# KiCad board serial-usbc-dip-7seg-clk.kicad_pcb (continued)
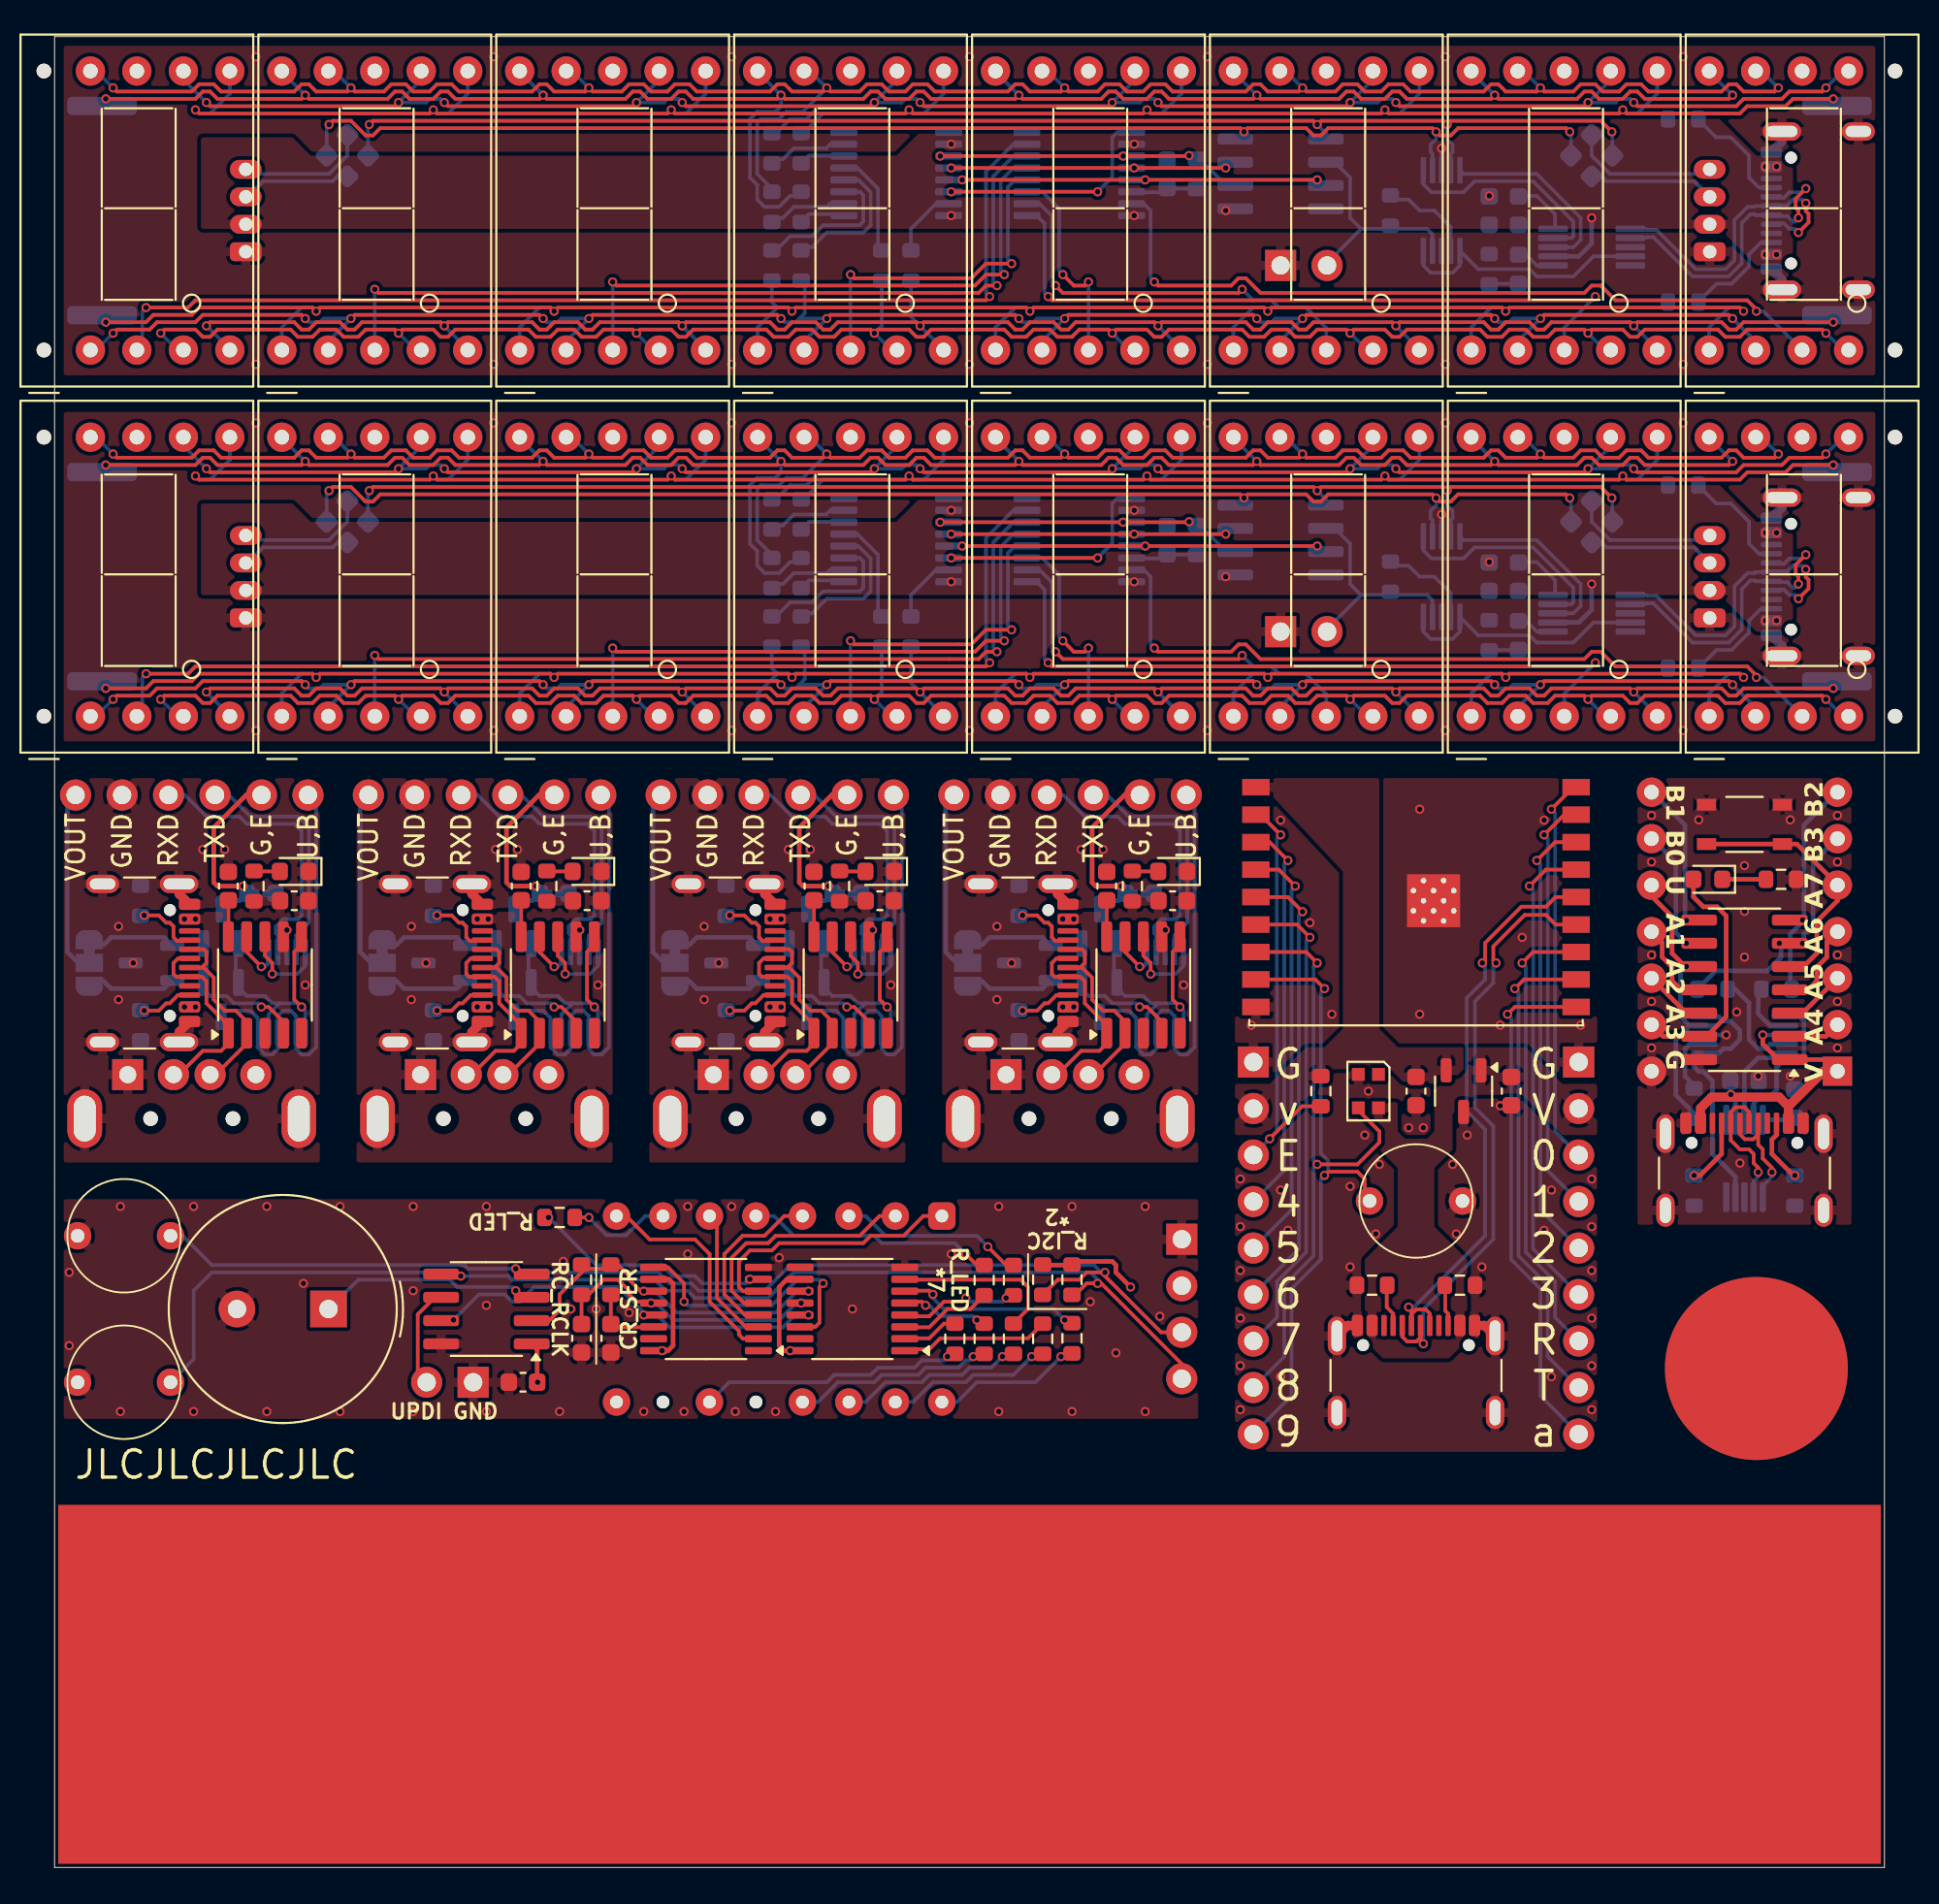
[diagram p0: board, top side]
## Placement (name value [footprint] x y rotation side) (continued)
R11#3  5k1  [R_0603_1608Metric]  89 65.5 180 bottom
R12  R_I2C  [R_0603_1608Metric]  55.6 32.1 270 top
R12#2  R_TNOW  [R_0603_1608Metric]  78.4 87.3 90 bottom
R12#3  R_TNOW  [R_0603_1608Metric]  78.4 67.3 90 bottom
R13  4k7  [R_0603_1608Metric]  73 90.5 270 bottom
R13#2  4k7  [R_0603_1608Metric]  73 70.5 270 bottom
SW1  SW_BOOT  [alps-skrg]  74.4 36.4 0 top
SW1#2  SW_Push  [alps-skrp]  92.35 56.97 180 top
SW1#3  SW_Push  [alps-skrg]  3.8 34.5 180 top
SW2  SW_Push  [alps-skrg]  3.8 26.5 180 top
U1  ATtiny1604-SS  [SOIC-14_3.9x8.7mm_P1.27mm]  92.35 47.94 180 top
U1#2  -  [ESP32-C3-WROOM-02]  74.4 53 0 top
U1#3  CH340K  [SSOP-10-1EP_3.9x4.9mm_P1mm_EP2.1x3.3mm]  11.5 48.2 90 top
U1#4  CH340K  [SSOP-10-1EP_3.9x4.9mm_P1mm_EP2.1x3.3mm]  27.5 48.2 90 top
U1#5  LTC-4627JG  [LTC-4627Jx]  48.49 35.58 270 top
U1#6  CH340K  [SSOP-10-1EP_3.9x4.9mm_P1mm_EP2.1x3.3mm]  43.5 48.2 90 top
U1#7  CH340K  [SSOP-10-1EP_3.9x4.9mm_P1mm_EP2.1x3.3mm]  59.5 48.2 90 top
U1#8  74HC595  [TSSOP-16_4.4x5mm_P0.65mm]  56 72.5 0 bottom
U1#9  74HC595  [TSSOP-16_4.4x5mm_P0.65mm]  56 92.5 0 bottom
U2  AP7333  [SOT-23-3]  77 42.4 270 top
U2#2  74HC595  [TSSOP-16_4.4x5mm_P0.65mm]  43.6 30.5 180 top
U2#3  TS5A23159DGS  [VSSOP-10_3x3mm_P0.5mm]  60.7 47.8 90 bottom
U2#4  CH340E  [MSOP-10_3x3mm_P0.5mm]  92.35 38.72 90 bottom
U2#5  74HC595  [TSSOP-16_4.4x5mm_P0.65mm]  46 92.5 0 bottom
U2#6  TS5A23159DGS  [VSSOP-10_3x3mm_P0.5mm]  12.7 47.8 90 bottom
U2#7  TS5A23159DGS  [VSSOP-10_3x3mm_P0.5mm]  28.7 47.8 90 bottom
U2#8  TS5A23159DGS  [VSSOP-10_3x3mm_P0.5mm]  44.7 47.8 90 bottom
U2#9  74HC595  [TSSOP-16_4.4x5mm_P0.65mm]  46 72.5 0 bottom
U3  D168K  [D1X8K#3]  -0.58 82.88 90 top
U3#2  74HC595  [TSSOP-16_4.4x5mm_P0.65mm]  35.6 30.5 180 top
U3#3  D168K  [D1X8K#3]  -0.58 62.88 90 top
U3#4  AP7333  [SOT-23-3]  21.3 49.4 180 bottom
U3#5  AP7333  [SOT-23-3]  53.3 49.4 180 bottom
U3#6  TS5A23159DGS  [VSSOP-10_3x3mm_P0.5mm]  92.35 45.47 0 bottom
U3#7  AP7333  [SOT-23-3]  5.3 49.4 180 bottom
U3#8  AP7333  [SOT-23-3]  37.3 49.4 180 bottom
U4  ATtiny402-SS  [SOIC-8_3.9x4.9mm_P1.27mm]  23.6 30.5 180 top
U4#2  D168K  [D1X8K#2]  12.42 82.88 90 top
U4#3  D168K  [D1X8K#2]  12.42 62.88 90 top
U5  D168K  [D1X8K#2]  25.42 82.88 90 top
U5#2  D168K  [D1X8K#2]  25.42 62.88 90 top
U6  D168K  [D1X8K#2]  38.42 62.88 90 top
U6#2  D168K  [D1X8K#2]  38.42 82.88 90 top
U7  D168K  [D1X8K#2]  51.42 62.88 90 top
U7#2  D168K  [D1X8K#2]  51.42 82.88 90 top
U8  D168K  [D1X8K#2]  64.42 82.88 90 top
U8#2  D168K  [D1X8K#2]  64.42 62.88 90 top
U9  D168K  [D1X8K#2]  77.42 82.88 90 top
U9#2  D168K  [D1X8K#2]  77.42 62.88 90 top
U10  D168K  [D1X8K]  90.42 82.88 90 top
U10#2  D168K  [D1X8K]  90.42 62.88 90 top
U11  MCU_DISP_X02  [SOIC-8_3.9x4.9mm_P1.27mm]  67 72.5 0 bottom
U11#2  MCU_DISP_X02  [SOIC-8_3.9x4.9mm_P1.27mm]  67 92.5 0 bottom
U12  CH340E  [MSOP-10_3x3mm_P0.5mm]  84 68.5 180 bottom
U12#2  CH340E  [MSOP-10_3x3mm_P0.5mm]  84 88.5 180 bottom
U13  TS5A23159DGS  [VSSOP-10_3x3mm_P0.5mm]  75.8 90.5 90 bottom
U13#2  TS5A23159DGS  [VSSOP-10_3x3mm_P0.5mm]  75.8 70.5 90 bottom

## Library data of the parts
BZ1 = -: Description: Buzzer, polarized
C1 C1#2-C1#6 C1#8 C1#9 C2 C2#2-C2#8 C3 C3#2-C3#5 C3#7 C3#8 = -: Description: Unpolarized capacitor, small symbol
D1 = -: Datasheet: https://cdn-shop.adafruit.com/product-files/4684/4684_WS2812B-2020_V1.3_EN.pdf; Description: RGB LED with integrated controller, 2.0 x 2.0 mm, 12 mA
D1#2 D1#3 D1#5 D1#6 D3 D3#2 = -: Description: Light emitting diode, small symbol; Sim.Pin: 1=K 2=A
J1 J1#3-J1#5 = -: Description: USB Type A connector
J1#2 J1#6 J2 J2#3-J2#5 J4 J4#2 = -: Datasheet: https://www.usb.org/sites/default/files/documents/usb_type-c.zip; Description: USB 2.0-only 16P Type-C Receptacle connector
J1#7-J1#9 = -: Description: Generic connector, single row, 01x02, script generated
J2#2 = -: Description: Generic connector, double row, 02x07, counter clockwise pin numbering scheme (similar to DIP package numbering), script generated (kicad-library-utils/schlib/autogen/connector/)
J2#6-J2#8 J3#5 J3#7 = -: Description: Generic connector, single row, 01x04, script generated
J2#9 J3#6 = -: Description: Generic connector, single row, 01x09, script generated
J3 J3#2-J3#4 = -: Description: Generic connector, single row, 01x06, script generated
JP3 JP3#2-JP3#4 = -: Description: 3-pole Solder Jumper, pins 1+2 closed/bridged
Q1 Q1#2-Q1#4 Q2 Q2#2-Q2#4 = -: Datasheet: https://www.onsemi.com/pub/Collateral/BSS138-D.PDF; Description: 50V Vds, 0.22A Id, N-Channel MOSFET, SOT-23
R1#3-R1#9 R2#2 R2#4-R2#9 R3 R3#2 R3#3 R3#5 R3#6 R3#8 R3#9 R4 R4#3 R4#4 R5 R5#3 R5#4 R6 R6#2 R6#3 R7 R7#2 R7#3 R8 R8#2 R8#3 R9 R9#2 R9#3 R10 R10#2 R10#3 R11 R11#2 R11#3 R12 R12#2 R12#3 R13 R13#2 = -: Description: Resistor, small symbol
R2#3 R3#7 R4#2 = -: Description: Resistor
SW1 SW1#3 SW2 = -: Description: Push button switch, generic, two pins
U1 = -: Datasheet: http://ww1.microchip.com/downloads/en/DeviceDoc/ATtiny804_1604-Data-Sheet-40002028A.pdf; Description: 20MHz, 16kB Flash, 1kB SRAM, 256B EEPROM, SOIC-14
U1#2 = -: Datasheet: https://www.espressif.com/sites/default/files/documentation/esp32-c3-wroom-02_datasheet_en.pdf
U1#3 U1#4 U1#6 U1#7 = -: Datasheet: https://cdn.sparkfun.com/assets/5/0/a/8/5/CH340DS1.PDF; Description: USB serial converter, UART, SSOP-10
U1#5 = -: Datasheet: http://optoelectronics.liteon.com/upload/download/DS30-2001-393/C4627JG.pdf; Description: 4 digit 7 segment green, common anode
U1#8 U1#9 U2#2 U2#5 U2#9 U3#2 = -: Datasheet: http://www.ti.com/lit/ds/symlink/sn74hc595.pdf; Description: 8-bit serial in/out Shift Register 3-State Outputs
U2 U3#4 U3#5 U3#7 U3#8 = -: Description: https://akizukidenshi.com/catalog/g/g111360/
U2#3 U2#6-U2#8 U3#6 U13 U13#2 = -: Datasheet: http://www.ti.com/lit/ds/symlink/ts5a23159.pdf; Description: Dual SPDT 1ohm Bidirectional Analog Switch with Off protection, VSSOP-10
U2#4 U12 U12#2 = -: Datasheet: https://www.mpja.com/download/35227cpdata.pdf; Description: USB serial converter, UART, MSOP-10
U3 U3#3 U4#2 U4#3 U5 U5#2 U6 U6#2 U7 U7#2 U8 U8#2 U9 U9#2 U10 U10#2 = -: Datasheet: https://ia800903.us.archive.org/24/items/CTKD1x8K/Cromatek%20D168K.pdf; Description: One digit 7 segment ultra bright red LED, low current, common cathode
U4 U11 U11#2 = -: Datasheet: http://ww1.microchip.com/downloads/en/DeviceDoc/ATtiny202-402-AVR-MCU-with-Core-Independent-Peripherals_and-picoPower-40001969A.pdf; Description: 20MHz, 4kB Flash, 256B SRAM, 128B EEPROM, SOIC-8

## Footprints (pads in the part's own frame, mm; a bottom-side part is the same pattern mirrored in y, then rotated)
alps-skrg
  round 1.5 hole 0.75: 1(-2.54,0) 2(2.54,0)
alps-skrp
  rect 1.05x0.65 smd: 1(-2.075,-1.075) 1(2.075,-1.075) 2(-2.075,1.075) 2(2.075,1.075)
Buzzer_TDK_PS1240P02BT_D12.2mm_H6.5mm
  rect 2x2 hole 1: 1(0,0)
  round 2 hole 1: 2(5,0)
C_0603_1608Metric
  rrect 0.9x0.95 smd: 1(-0.775,0) 2(0.775,0)
D1X8K
  round 0.8 hole 0.8 unplated: (0,-10.16) (15.24,-10.16)
  round 1.6 hole 0.8: 1(0,0) 2(0,-2.54) 3(0,-5.08) 4(0,-7.62) 7(15.24,-7.62) 8(15.24,-5.08) 9(15.24,-2.54) 10(15.24,0)
  rrect 1x3.81 smd far side: 5(1.905,-6.985) 6(13.335,-6.985)
D1X8K#2
  round 1.6 hole 0.8: 1(0,0) 2(0,-2.54) 3(0,-5.08) 4(0,-7.62) 5(0,-10.16) 6(15.24,-10.16) 7(15.24,-7.62) 8(15.24,-5.08) 9(15.24,-2.54) 10(15.24,0)
D1X8K#3
  round 0.8 hole 0.8 unplated: (0,0) (15.24,0)
  rrect 1x3.81 smd far side: 1(1.905,-3.175) 10(13.335,-3.175)
  round 1.6 hole 0.8: 2(0,-2.54) 3(0,-5.08) 4(0,-7.62) 5(0,-10.16) 6(15.24,-10.16) 7(15.24,-7.62) 8(15.24,-5.08) 9(15.24,-2.54)
DIP-14_W10.16mm
  rect 1.6x1.6 hole 0.8: 1(0,0)
  oval 1.6x1.6 hole 0.8: 2(0,-2.54) 3(0,-5.08) 4(0,-7.62) 5(0,-10.16) 6(0,-12.7) 7(0,-15.24) 8(10.16,-15.24) 9(10.16,-12.7) 10(10.16,-10.16) 11(10.16,-7.62) 12(10.16,-5.08) 13(10.16,-2.54) 14(10.16,0)
ESP32-C3-WROOM-02
  rect 0.7x0.7 smd: (-0.14,0.9) (-0.14,-0.2) (-0.14,-1.3) (0.96,0.9) (0.96,-0.2) (0.96,-1.3) (2.06,0.9) (2.06,-0.2) (2.06,-1.3)
  rect 1.5x0.9 smd: 1(-8.75,6) 2(-8.75,4.5) 3(-8.75,3) 4(-8.75,1.5) 5(-8.75,0) 6(-8.75,-1.5) 7(-8.75,-3) 8(-8.75,-4.5) 9(-8.75,-6) 10(8.75,-6) 11(8.75,-4.5) 12(8.75,-3) 13(8.75,-1.5) 14(8.75,0) 15(8.75,1.5) 16(8.75,3) 17(8.75,4.5) 18(8.75,6)
  round 0.6 hole 0.3: 19(-0.14,0.35) 19(-0.14,-0.75) 19(0.41,0.9) 19(0.41,-0.2) 19(0.41,-1.3) 19(0.96,0.35) 19(0.96,-0.75) 19(1.51,0.9) 19(1.51,-0.2) 19(1.51,-1.3) 19(2.06,0.35) 19(2.06,-0.75)
  rect 2.9x2.9 smd: 19(0.96,-0.2)
JST_ZH_B4B-ZR_1x04_P1.50mm_Vertical
  rrect 1.03x1.73 hole 0.73: 1(0,0)
  oval 1.03x1.73 hole 0.73: 2(1.5,0) 3(3,0) 4(4.5,0)
LED_0603_1608Metric
  rrect 0.875x0.95 smd: 1(-0.787,0) 2(0.787,0)
LED_WS2812B-2020_PLCC4_2.0x2.0mm
  rect 0.7x0.7 smd: 1(-0.915,0.55) 2(-0.915,-0.55) 3(0.915,-0.55) 4(0.915,0.55)
LTC-4627Jx
  round 0.7 hole 0.7 unplated: (10.16,-10.16) (10.16,-15.24)
  rrect 1.5x1.5 hole 0.7: 1(0,0)
  round 1.5 hole 0.7: 2(0,-2.54) 3(0,-5.08) 4(0,-7.62) 5(0,-10.16) 6(0,-12.7) 7(0,-15.24) 8(0,-17.78) 9(10.16,-17.78) 11(10.16,-12.7) 13(10.16,-7.62) 14(10.16,-5.08) 15(10.16,-2.54) 16(10.16,0)
MSOP-10_3x3mm_P0.5mm
  rrect 1.625x0.35 smd: 1(-2.112,1) 2(-2.112,0.5) 3(-2.112,0) 4(-2.112,-0.5) 5(-2.112,-1) 6(2.112,-1) 7(2.112,-0.5) 8(2.112,0) 9(2.112,0.5) 10(2.112,1)
PinHeader_1x02_P2.54mm_Vertical
  rect 1.7x1.7 hole 1: 1(0,0)
  round 1.7 hole 1: 2(0,-2.54)
PinHeader_1x04_P2.54mm_Vertical
  rect 1.7x1.7 hole 1: 1(0,0)
  round 1.7 hole 1: 2(0,-2.54) 3(0,-5.08) 4(0,-7.62)
PinHeader_1x09_P2.54mm_Vertical
  rect 1.7x1.7 hole 1: 1(0,0)
  round 1.7 hole 1: 2(0,-2.54) 3(0,-5.08) 4(0,-7.62) 5(0,-10.16) 6(0,-12.7) 7(0,-15.24) 8(0,-17.78) 9(0,-20.32)
PinSocket_1x02_P2.54mm_Vertical
  rect 1.7x1.7 hole 1: 1(0,0)
  round 1.7 hole 1: 2(0,-2.54)
PinSocket_1x06_P2.54mm_Vertical
  round 1.7 hole 1: 1(0,0) 2(0,-2.54) 3(0,-5.08) 4(0,-7.62) 5(0,-10.16) 6(0,-12.7)
pokayoke_1608
  rrect 1x1 smd: 1(-0.8,0.8) 2(-0.8,-0.8) 3(0.8,-0.8) 4(0.8,0.8)
R_0603_1608Metric
  rrect 0.8x0.95 smd: 1(-0.825,0) 2(0.825,0)
SOIC-8_3.9x4.9mm_P1.27mm
  rrect 1.95x0.6 smd: 1(-2.475,1.905) 2(-2.475,0.635) 3(-2.475,-0.635) 4(-2.475,-1.905) 5(2.475,-1.905) 6(2.475,-0.635) 7(2.475,0.635) 8(2.475,1.905)
SOIC-14_3.9x8.7mm_P1.27mm
  rrect 1.95x0.6 smd: 1(-2.475,3.81) 2(-2.475,2.54) 3(-2.475,1.27) 4(-2.475,0) 5(-2.475,-1.27) 6(-2.475,-2.54) 7(-2.475,-3.81) 8(2.475,-3.81) 9(2.475,-2.54) 10(2.475,-1.27) 11(2.475,0) 12(2.475,1.27) 13(2.475,2.54) 14(2.475,3.81)
SolderJumper-3_P1.3mm_Bridged12_RoundedPad1.0x1.5mm
  custom 1.05x1.5 smd: 1(-1.3,0) 3(1.3,0)
  rect 1x1.5 smd: 2(0,0)
SOT-23
  rrect 1.475x0.6 smd: 1(-0.938,0.95) 2(-0.938,-0.95) 3(0.938,0)
SOT-23-3
  rrect 1.325x0.6 smd: 1(-1.137,0.95) 2(-1.137,-0.95) 3(1.137,0)
SSOP-10-1EP_3.9x4.9mm_P1mm_EP2.1x3.3mm
  rrect 1.675x0.6 smd: 1(-2.638,2) 2(-2.638,1) 3(-2.638,0) 4(-2.638,-1) 5(-2.638,-2) 6(2.638,-2) 7(2.638,-1) 8(2.638,0) 9(2.638,1) 10(2.638,2)
TSSOP-16_4.4x5mm_P0.65mm
  rrect 1.475x0.4 smd: 1(-2.862,2.275) 2(-2.862,1.625) 3(-2.862,0.975) 4(-2.862,0.325) 5(-2.862,-0.325) 6(-2.862,-0.975) 7(-2.862,-1.625) 8(-2.862,-2.275) 9(2.862,-2.275) 10(2.862,-1.625) 11(2.862,-0.975) 12(2.862,-0.325) 13(2.862,0.325) 14(2.862,0.975) 15(2.862,1.625) 16(2.862,2.275)
USB_A_PLUG_USB-4AM103AS
  round 0.8 hole 1.3 unplated: (-2.9,2.25) (-2.9,-2.25)
  round 1.7 hole 0.93: 1(-5.3,3.5) 2(-5.3,1) 3(-5.3,-1)
  rect 1.7x1.7 hole 0.93: 4(-5.3,-3.5)
  oval 3.2x1.9 hole 2.5x1.2: 5(-2.9,5.85) 5(-2.9,-5.85)
USB_C_Receptacle_GCT_USB4105-xx-A_16P_TopMnt_Horizontal
  round 0.65 hole 0.65 unplated: (-2.89,2.605) (2.89,2.605)
  rrect 0.6x1.15 smd: A1(-3.2,3.68) A4(-2.4,3.68) A9(2.4,3.68) A12(3.2,3.68) B1(3.2,3.68) B4(2.4,3.68) B9(-2.4,3.68) B12(-3.2,3.68)
  rrect 0.3x1.15 smd: A5(-1.25,3.68) A6(-0.25,3.68) A7(0.25,3.68) A8(1.25,3.68) B5(1.75,3.68) B6(0.75,3.68) B7(-0.75,3.68) B8(-1.75,3.68)
  oval 1x2.1 hole 0.6x1.7: S1(-4.32,3.105) S1(4.32,3.105)
  oval 1x1.8 hole 0.6x1.4: S1(-4.32,-1.075) S1(4.32,-1.075)
VSSOP-10_3x3mm_P0.5mm
  rrect 1.45x0.3 smd: 1(-2.2,1) 2(-2.2,0.5) 3(-2.2,0) 4(-2.2,-0.5) 5(-2.2,-1) 6(2.2,-1) 7(2.2,-0.5) 8(2.2,0) 9(2.2,0.5) 10(2.2,1)

## Nets
+3.3V: C2#6.1 J2#9.2 R1#2.1 U1#2.1 U2.2
/V3: C3#4.2 C3#5.2 U12.10 U12#2.10
GND: BZ1.2 C1.2 C1#2.2 C1#3.2 C1#4.2 C1#5.2 C1#6.2 C1#7.2 C1#8.2 C1#9.2 C2.2 C2#2.2 C2#3.2 C2#4.2 C2#5.2 C2#6.2 C2#7.2 C2#8.2 C3.2 C3#2.2 C3#3.2 C3#4.1 C3#5.1 C3#6.2 C3#7.2 C3#8.2 D1.2 D1#2.1 D1#3.1 D1#5.1 D1#6.1 J1.4 J1.5 J1#2.A1 J1#2.A12 J1#2.B1 J1#2.B12 J1#2.S1 J1#3.4 J1#3.5 J1#4.4 J1#4.5 J1#5.4 J1#5.5 J1#6.A1 J1#6.A12 J1#6.B1 J1#6.B12 J1#6.S1 J1#7.1 J1#8.1 J1#9.1 J2.A1 J2.A12 J2.B1 J2.B12 J2.S1 J2#2.14 J2#3.A1 J2#3.A12 J2#3.B1 J2#3.B12 J2#3.S1 J2#4.A1 J2#4.A12 J2#4.B1 J2#4.B12 J2#4.S1 J2#5.A1 J2#5.A12 J2#5.B1 J2#5.B12 J2#5.S1 J2#6.1 J2#7.1 J2#8.1 J2#9.1 J3.5 J3#2.5 J3#3.5 J3#4.5 J3#5.1 J3#6.1 J3#7.1 J4.A1 J4.A12 J4.B1 J4.B12 J4.S1 J4#2.A1 J4#2.A12 J4#2.B1 J4#2.B12 J4#2.S1 R1.2 R1#4.2 R1#6.2 R1#8.2 R1#9.2 R2.2 R2#4.2 R2#5.2 R2#6.2 R2#9.2 R3#4.2 R5#2.1 R6#4.2 R10#2.2 R10#3.2 R11#2.2 R11#3.2 R12#2.2 R12#3.2 SW1.2 SW1#2.1 SW1#3.2 SW2.2 U1.14 U1#2.9 U1#2.19 U1#3.3 U1#4.3 U1#6.3 U1#7.3 U1#8.8 U1#9.8 U2.3 U2#2.8 U2#3.3 U2#4.3 U2#5.8 U2#6.3 U2#7.3 U2#8.3 U2#9.8 U3#2.8 U3#4.3 U3#5.3 U3#6.3 U3#7.3 U3#8.3 U4.8 U11.8 U11#2.8 U12.3 U12#2.3 U13.3 U13#2.3
GND|EN: C3#2.1 C3#3.1 C3#7.1 C3#8.1 J3.2 J3#2.2 J3#3.2 J3#4.2 Q1.3 Q1#2.3 Q1#3.3 Q1#4.3
V3: C2#2.1 C2#3.1 C2#4.1 C2#5.1 U1#3.10 U1#4.10 U1#6.10 U1#7.10
VBUS: C1#6.1 D1.4 J1#6.A4 J1#6.A9 J1#6.B4 J1#6.B9 J3#6.2 U2.1
VCC: C1#2.1 C1#3.1 C1#4.1 C1#5.1 C1#7.1 C2#7.1 C2#8.1 C3.1 J1.1 J1#2.A4 J1#2.A9 J1#2.B4 J1#2.B9 J1#3.1 J1#4.1 J1#5.1 J2.A4 J2.A9 J2.B4 J2.B9 J2#2.1 J2#3.A4 J2#3.A9 J2#3.B4 J2#3.B9 J2#4.A4 J2#4.A9 J2#4.B4 J2#4.B9 J2#5.A4 J2#5.A9 J2#5.B4 J2#5.B9 J2#6.2 J2#7.2 J2#8.2 J3#5.2 J3#7.2 J4.A4 J4.A9 J4.B4 J4.B9 J4#2.A4 J4#2.A9 J4#2.B4 J4#2.B9 JP3.1 JP3#2.1 JP3#3.1 JP3#4.1 R3.1 R3#2.1 R3#3.1 R3#6.1 R11.1 R12.1 U1.1 U1#3.7 U1#4.7 U1#6.7 U1#7.7 U1#8.10 U1#8.16 U1#9.10 U1#9.16 U2#2.10 U2#2.16 U2#3.8 U2#4.7 U2#5.10 U2#5.16 U2#6.8 U2#7.8 U2#8.8 U2#9.10 U2#9.16 U3#2.10 U3#2.16 U3#4.1 U3#5.1 U3#6.8 U3#7.1 U3#8.1 U4.1 U11.1 U11#2.1 U12.7 U12#2.7 U13.8 U13#2.8
/_A: R1#5.1 R1#7.1 U2#5.7 U2#9.7
/_B: R2#7.1 R2#8.1 U2#5.6 U2#9.6
/_C: R3#8.1 R3#9.1 U2#5.5 U2#9.5
/_D: R4#3.1 R4#4.1 U2#5.4 U2#9.4
/_E: R5#3.1 R5#4.1 U2#5.3 U2#9.3
/_F: R6#2.1 R6#3.1 U2#5.2 U2#9.2
/_G: R7#2.1 R7#3.1 U2#5.1 U2#9.1
/_H: R8#2.1 R8#3.1 U2#5.15 U2#9.15
/_SEG1: R1#3.1 U2#2.7
/_SEG2: R2#2.1 U2#2.6
/_SEG3: R3#5.1 U2#2.5
/_SEG4: R4.1 U2#2.4
/_SEG5: R5.1 U2#2.3
/_SEG6: R6.1 U2#2.2
/_SEG7: R7.1 U2#2.1
/_SEG8: R8.1 U3#2.7
/chain: U1#8.9 U1#9.9 U2#5.14 U2#9.14
/TNOW: D3.2 D3#2.2 U12.6 U12#2.6
_RXD: U1#3.9 U1#4.9 U1#6.9 U1#7.9 U2#3.6 U2#6.6 U2#7.6 U2#8.6
_TXD: U1#3.8 U1#4.8 U1#6.8 U1#7.8 U2#3.10 U2#6.10 U2#7.10 U2#8.10
A: R1#5.2 R1#7.2 U3.7 U3#3.7 U4#2.7 U4#3.7 U5.7 U5#2.7 U6.7 U6#2.7 U7.7 U7#2.7 U8.7 U8#2.7 U9.7 U9#2.7 U10.7 U10#2.7
B: R2#7.2 R2#8.2 U3.6 U3#3.6 U4#2.6 U4#3.6 U5.6 U5#2.6 U6.6 U6#2.6 U7.6 U7#2.6 U8.6 U8#2.6 U9.6 U9#2.6 U10.6 U10#2.6
C: R3#8.2 R3#9.2 U3.4 U3#3.4 U4#2.4 U4#3.4 U5.4 U5#2.4 U6.4 U6#2.4 U7.4 U7#2.4 U8.4 U8#2.4 U9.4 U9#2.4 U10.4 U10#2.4
C0: U1#8.7 U1#9.7 U3.3 U3#3.3
C1: U1#8.6 U1#9.6 U4#2.3 U4#3.3
C2: U1#8.5 U1#9.5 U5.3 U5#2.3
C3: U1#8.4 U1#9.4 U6.3 U6#2.3
C4: U1#8.3 U1#9.3 U7.3 U7#2.3
C5: U1#8.2 U1#9.2 U8.3 U8#2.3
C6: U1#8.1 U1#9.1 U9.3 U9#2.3
C7: U1#8.15 U1#9.15 U10.3 U10#2.3
chain: U2#2.14 U3#2.9
D: R4#3.2 R4#4.2 U3.2 U3#3.2 U4#2.2 U4#3.2 U5.2 U5#2.2 U6.2 U6#2.2 U7.2 U7#2.2 U8.2 U8#2.2 U9.2 U9#2.2 U10.2 U10#2.2
D+: J1.3 J1#2.A6 J1#2.B6 J1#3.3 J1#4.3 J1#5.3 J1#6.A6 J1#6.B6 J2.A6 J2.B6 J2#3.A6 J2#3.B6 J2#4.A6 J2#4.B6 J2#5.A6 J2#5.B6 J4.A6 J4.B6 J4#2.A6 J4#2.B6 U1#2.14 U1#3.1 U1#4.1 U1#6.1 U1#7.1 U2#4.1 U12.1 U12#2.1
D-: J1.2 J1#2.A7 J1#2.B7 J1#3.2 J1#4.2 J1#5.2 J1#6.A7 J1#6.B7 J2.A7 J2.B7 J2#3.A7 J2#3.B7 J2#4.A7 J2#4.B7 J2#5.A7 J2#5.B7 J4.A7 J4.B7 J4#2.A7 J4#2.B7 U1#2.13 U1#3.2 U1#4.2 U1#6.2 U1#7.2 U2#4.2 U12.2 U12#2.2
DTR#: Q1.2 Q1#2.2 Q1#3.2 Q1#4.2 Q2.1 Q2#2.1 Q2#3.1 Q2#4.1 U1#3.4 U1#4.4 U1#6.4 U1#7.4
E: R5#3.2 R5#4.2 U3.1 U3#3.1 U4#2.1 U4#3.1 U5.1 U5#2.1 U6.1 U6#2.1 U7.1 U7#2.1 U8.1 U8#2.1 U9.1 U9#2.1 U10.1 U10#2.1
EN: J2#9.3 R1#2.2 U1#2.2
F: R6#2.2 R6#3.2 U3.9 U3#3.9 U4#2.9 U4#3.9 U5.9 U5#2.9 U6.9 U6#2.9 U7.9 U7#2.9 U8.9 U8#2.9 U9.9 U9#2.9 U10.9 U10#2.9
G: R7#2.2 R7#3.2 U3.10 U3#3.10 U4#2.10 U4#3.10 U5.10 U5#2.10 U6.10 U6#2.10 U7.10 U7#2.10 U8.10 U8#2.10 U9.10 U9#2.10 U10.10 U10#2.10
H: R8#2.2 R8#3.2 U3.5 U3#3.5 U4#2.5 U4#3.5 U5.5 U5#2.5 U6.5 U6#2.5 U7.5 U7#2.5 U8.5 U8#2.5 U9.5 U9#2.5 U10.5 U10#2.5
IO0: J3#6.3 U1#2.18
IO1: J3#6.4 U1#2.17
IO2: J3#6.5 U1#2.16
IO3: J3#6.6 U1#2.15
IO4: J2#9.4 U1#2.3
IO5: J2#9.5 U1#2.4
IO6: J2#9.6 U1#2.5
IO7: J2#9.7 U1#2.6
IO8: D1.3 J2#9.8 U1#2.7
IO9: J2#9.9 SW1.1 U1#2.8
IO10: J3#6.9 U1#2.10
OE#: U1#8.13 U1#9.13 U2#2.13 U2#5.13 U2#9.13 U3#2.13 U4.7 U11.7 U11#2.7
PA1: J2#2.11 J2#6.3 R11.2 SW1#3.1 U1.11 U4.4
PA2: J2#2.12 J2#6.4 R12.2 SW2.1 U1.12 U4.5
PA3: D1#4.2 J2#2.13 U1.13
PA4: J2#2.2 U1.2
PA5: J2#2.3 U1.3
PA6: J2#2.4 U1.4
PA7: J2#2.5 SW1#2.2 U1.5
PB0: J2#2.9 U1.9
PB1: J2#2.8 U1.8
PB2: J2#2.7 R4#2.2 U1.7
PB3: J2#2.6 R3#7.2 U1.6
RCLK: C1.1 R9.2 U1#8.12 U1#9.12 U2#2.12 U2#5.12 U2#9.12 U3#2.12 U11.3 U11#2.3
RTS#: Q1.1 Q1#2.1 Q1#3.1 Q1#4.1 Q2.2 Q2#2.2 Q2#3.2 Q2#4.2 U1#3.6 U1#4.6 U1#6.6 U1#7.6 U2#3.1 U2#3.5 U2#4.4 U2#6.1 U2#6.5 U2#7.1 U2#7.5 U2#8.1 U2#8.5 U3#6.1 U3#6.5 U12.4 U12#2.4 U13.1 U13.5 U13#2.1 U13#2.5
RXD: J3.4 J3#2.4 J3#3.4 J3#4.4 J3#6.8 U1#2.11 U2#3.7 U2#4.9 U2#6.7 U2#7.7 U2#8.7 U3#6.6
RXD_DISP|SCL: JP1.4 JP1#2.4 JP2.4 JP2#2.4 U11.5 U11#2.5 U13.9 U13#2.9
RXD_USB: U12.9 U12#2.9 U13.6 U13#2.6
SEG1: R1#3.2 U1#5.14
SEG2: R2#2.2 U1#5.16
SEG3: R3#5.2 U1#5.13
SEG4: R4.2 U1#5.3
SEG5: R5.2 U1#5.5
SEG6: R6.2 U1#5.11
SEG7: R7.2 U1#5.15
SEG8: R8.2 U1#5.7
SEGC1: U1#5.1 U3#2.6
SEGC2: U1#5.2 U3#2.5
SEGC3: U1#5.6 U3#2.3
SEGC4: U1#5.8 U3#2.2
SEGC:: U1#5.4 U3#2.4
SER: C1#8.1 C1#9.1 C2.1 R9#2.1 R9#3.1 R10.2 U1#8.14 U1#9.14 U3#2.14
SPK: BZ1.1 U4.3
SRCLK: R9.1 R9#2.2 R9#3.2 R10.1 U1#8.11 U1#9.11 U2#2.11 U2#5.11 U2#9.11 U3#2.11 U4.2 U11.2 U11#2.2
TNOW: U2#4.6
TXD: J3.3 J3#2.3 J3#3.3 J3#4.3 J3#6.7 U1#2.12 U2#3.9 U2#4.8 U2#6.9 U2#7.9 U2#8.9 U3#6.10
TXD_DISP|SDA: JP1.2 JP1#2.2 JP2.2 JP2#2.2 U11.4 U11#2.4 U13.7 U13#2.7
TXD_USB: U12.8 U12#2.8 U13.10 U13#2.10
UPDI: J1#7.2 J1#8.2 J1#9.2 J2#2.10 R2#3.2 R13.2 R13#2.2 U1.10 U3#6.4 U4.6 U11.6 U11#2.6 U13.4 U13#2.4
UPDI|BOOT: J3.1 J3#2.1 J3#3.1 J3#4.1 Q2.3 Q2#2.3 Q2#3.3 Q2#4.3 U2#3.2 U2#3.4 U2#6.2 U2#6.4 U2#7.2 U2#7.4 U2#8.2 U2#8.4
VOUT: J3.6 J3#2.6 J3#3.6 J3#4.6 JP3.2 JP3#2.2 JP3#3.2 JP3#4.2
VREG: JP3.3 JP3#2.3 JP3#3.3 JP3#4.3 U3#4.2 U3#5.2 U3#7.2 U3#8.2
Net-(D1-A): D1#2.2 D1#3.2 D1#5.2 D1#6.2 R3.2 R3#2.2 R3#3.2 R3#6.2
Net-(D1-K): D1#4.1 R1.1
Net-(D3-K): D3.1 D3#2.1 R12#2.1 R12#3.1
Net-(J1-CC1): J1#2.A5 J1#6.A5 R2.1 R5#2.2
Net-(J1-CC2): J1#2.B5 J1#6.B5 R3#4.1 R6#4.1
Net-(J2-CC1): J2.A5 J2#3.A5 J2#4.A5 J2#5.A5 R1#4.1 R1#6.1 R1#8.1 R1#9.1
Net-(J2-CC2): J2.B5 J2#3.B5 J2#4.B5 J2#5.B5 R2#4.1 R2#5.1 R2#6.1 R2#9.1
Net-(J2-Pin_3): J2#7.3 J2#8.3 JP1.1 JP1#2.1
Net-(J2-Pin_4): J2#7.4 J2#8.4 JP1.3 JP1#2.3
Net-(J3-Pin_3): J3#5.3 J3#7.3 JP2.1 JP2#2.1
Net-(J3-Pin_4): J3#5.4 J3#7.4 JP2.3 JP2#2.3
Net-(J4-CC1): J4.A5 J4#2.A5 R10#2.1 R10#3.1
Net-(J4-CC2): J4.B5 J4#2.B5 R11#2.1 R11#3.1
Net-(R2-Pad1): R2#3.1 U3#6.2
Net-(R3-Pad1): R3#7.1 U3#6.9
Net-(R4-Pad1): R4#2.1 U3#6.7
Net-(R13-Pad1): R13.1 R13#2.1 U13.2 U13#2.2
Net-(U2-V3): C3#6.1 U2#4.10

Pads without a net: D1 1; J1#2 A8 B8; J1#6 A8 B8; J2 A8 B8; J2#3 A8 B8; J2#4 A8 B8; J2#5 A8 B8; J4 A8 B8; J4#2 A8 B8; U1#3 5; U1#4 5; U1#5 9; U1#6 5; U1#7 5; U2#2 9 15; U2#4 5; U2#5 9; U2#9 9; U3 8; U3#2 1 15; U3#3 8; U4#2 8; U4#3 8; U5 8; U5#2 8; U6 8; U6#2 8; U7 8; U7#2 8; U8 8; U8#2 8; U9 8; U9#2 8; U10 8; U10#2 8; U12 5; U12#2 5

## Via types
v1: diameter 0.5, hole 0.3, Top to Bottom, 523 vias

## Routing (per net, layer and track width the routed paths; a pad name or vN(x,y) marks a point on that pad's centre or on a via; arc(x,y) is an arc through that point)
/V3: length 6.5
  Bottom w0.2: U12#2.10 82,89.61 82,90.3 81,91.3 80.03,91.3 C3#4.2 ; C3#5.2 80.03,71.3 81,71.3 82,70.3 82,69.61 U12.10
GND: length 20.2
  Top w0.5: J2.S1 6.8,45.62 J2.A12 ; J2#4.A12 38.8,45.62 J2#4.S1 ; J2#5.A12 22.8,45.62 J2#5.S1 ; J2#4.A1 38.8,53.17 J2#4.S1 ; J1#6.S1 70.66,29.6 J1#6.A1 ; J2#5.A1 22.8,53.17 J2#5.S1 ; J2#3.S1 54.81,53.17 J2#3.A1 ; J2#3.A12 54.81,45.62 J2#3.S1 ; J2.A1 6.8,53.17 J2.S1 ; J1#6.A12 78.14,29.6 J1#6.S1
  Bottom w0.25: U3#6.3 v1(91.35,45.47)
  Bottom w0.5: J4.S1 94.39,94.28 J4.A1 ; J4#2.A1 94.39,74.28 J4#2.S1 ; J4#2.A12 94.39,66.72 J4#2.S1 ; J4.A12 94.39,86.72 J4.S1
  vias: v1(0.8,32.5) v1(0.8,28.5) v1(3.5,51.4) v1(3.5,47.4) v1(3.6,36.1) v1(3.6,24.9) v1(4.3,49.4) v1(7.6,36.1) v1(7.6,24.9) v1(8.1,55.6) v1(9.3,55.6) v1(11,98.9) v1(11,82.1) v1(11,78.9) v1(11,62.1) v1(11.6,36.1) v1(11.6,24.9) v1(13.6,31.9) v1(13.7,48.2) v1(15.6,36.1) v1(15.6,24.9) v1(19.5,51.4) v1(19.5,47.4) v1(19.6,36.1) v1(19.6,31.5) v1(19.6,24.9) v1(20.3,49.4) v1(23.6,36.1) v1(23.6,30.7) v1(23.6,24.9) v1(24,98.9) v1(24,82.1) v1(24,78.9) v1(24,62.1) v1(24.1,55.6) v1(25.3,55.6) v1(27.6,24.9) v1(27.8,33.1) v1(28.2,30.5) v1(29.6,30.5) v1(29.7,48.2) v1(31.4,30.3) v1(32.2,24.9) v1(34.4,24.9) v1(34.6,36.1) v1(34.6,33.5) v1(35.5,51.4) v1(35.5,47.4) v1(36.3,49.4) v1(37,98.9) v1(37,82.1) v1(37,78.9) v1(37,62.1) v1(37,36.1) v1(37.2,24.9) v1(39.4,24.9) v1(39.6,33.3) v1(40.1,55.6) v1(41.3,55.6) v1(43.6,30.5) v1(45.7,48.2) v1(49,33.5) v1(50,98.9) v1(50,82.1) v1(50,78.9) v1(50,62.1) v1(51.5,51.4) v1(51.5,47.4) v1(51.6,36.1) v1(51.6,24.9) v1(52.3,49.4) v1(55.6,36.1) v1(55.6,24.9) v1(56.1,55.6) v1(56.6,30.9) v1(57.3,55.6) v1(58,28.1) v1(59.6,36.1) v1(59.6,24.9) v1(60.4,30.1) v1(61.7,48.2) v1(63,98.9) v1(63,82.1) v1(63,78.9) v1(63,62.1) v1(64.8,37.6) v1(64.8,35) v1(64.8,32.6) v1(64.8,30) v1(64.8,27.4) v1(64.8,25) v1(65.4,46) v1(67,57.2) v1(67,37) v1(67,26.8) v1(67.4,34.8) v1(68.6,51.6) v1(69.8,46.6) v1(70.8,37.2) v1(70.8,32.8) v1(71.6,40) v1(71.8,42.4) v1(72.2,34.6) v1(72.4,38.4) v1(74,40.4) v1(74.6,57.8) v1(74.6,46.6) v1(74.8,40.4) v1(76,98.9) v1(76,82.1) v1(76,78.9) v1(76,62.1) v1(76.4,38.4) v1(76.6,34.6) v1(77.2,40) v1(78,32.8) v1(79,46) v1(79,41.6) v1(80.2,50.8) v1(81.4,57.2) v1(81.4,34.8) v1(81.8,37) v1(81.8,26.8) v1(83.4,46) v1(84,37.6) v1(84,35) v1(84,32.6) v1(84,30) v1(84,27.4) v1(84,25) v1(87.27,57.46) v1(87.27,54.92) v1(87.27,49.84) v1(87.27,47.3) v1(87.27,44.76) v1(89,98.9) v1(89,82.1) v1(89,78.9) v1(89,62.1) v1(89.85,57.22) v1(91.92,46.73) v1(92.1,38.47) v1(92.35,54.72) v1(92.35,52.22) v1(92.35,49.72) v1(93.1,43.22) v1(94.85,57.22) v1(94.85,43.22) v1(97.43,57.46) v1(97.43,54.92) v1(97.43,49.84) v1(97.43,47.3) v1(97.43,44.76)